# Altium PCB MDQARM - копия.PcbDoc (part 1 of 2)
Units mm, origin at the board's own origin, x right, y up, seen from the top; angles counter-clockwise.
Board outline 98 x 86.31 mm, 2 copper layers (Top Layer, Bottom Layer), stack 1.536 mm thick; 171 components, 109 nets, 544 pads, 183 vias.
Unrouted connection lines stored in the file: 113.
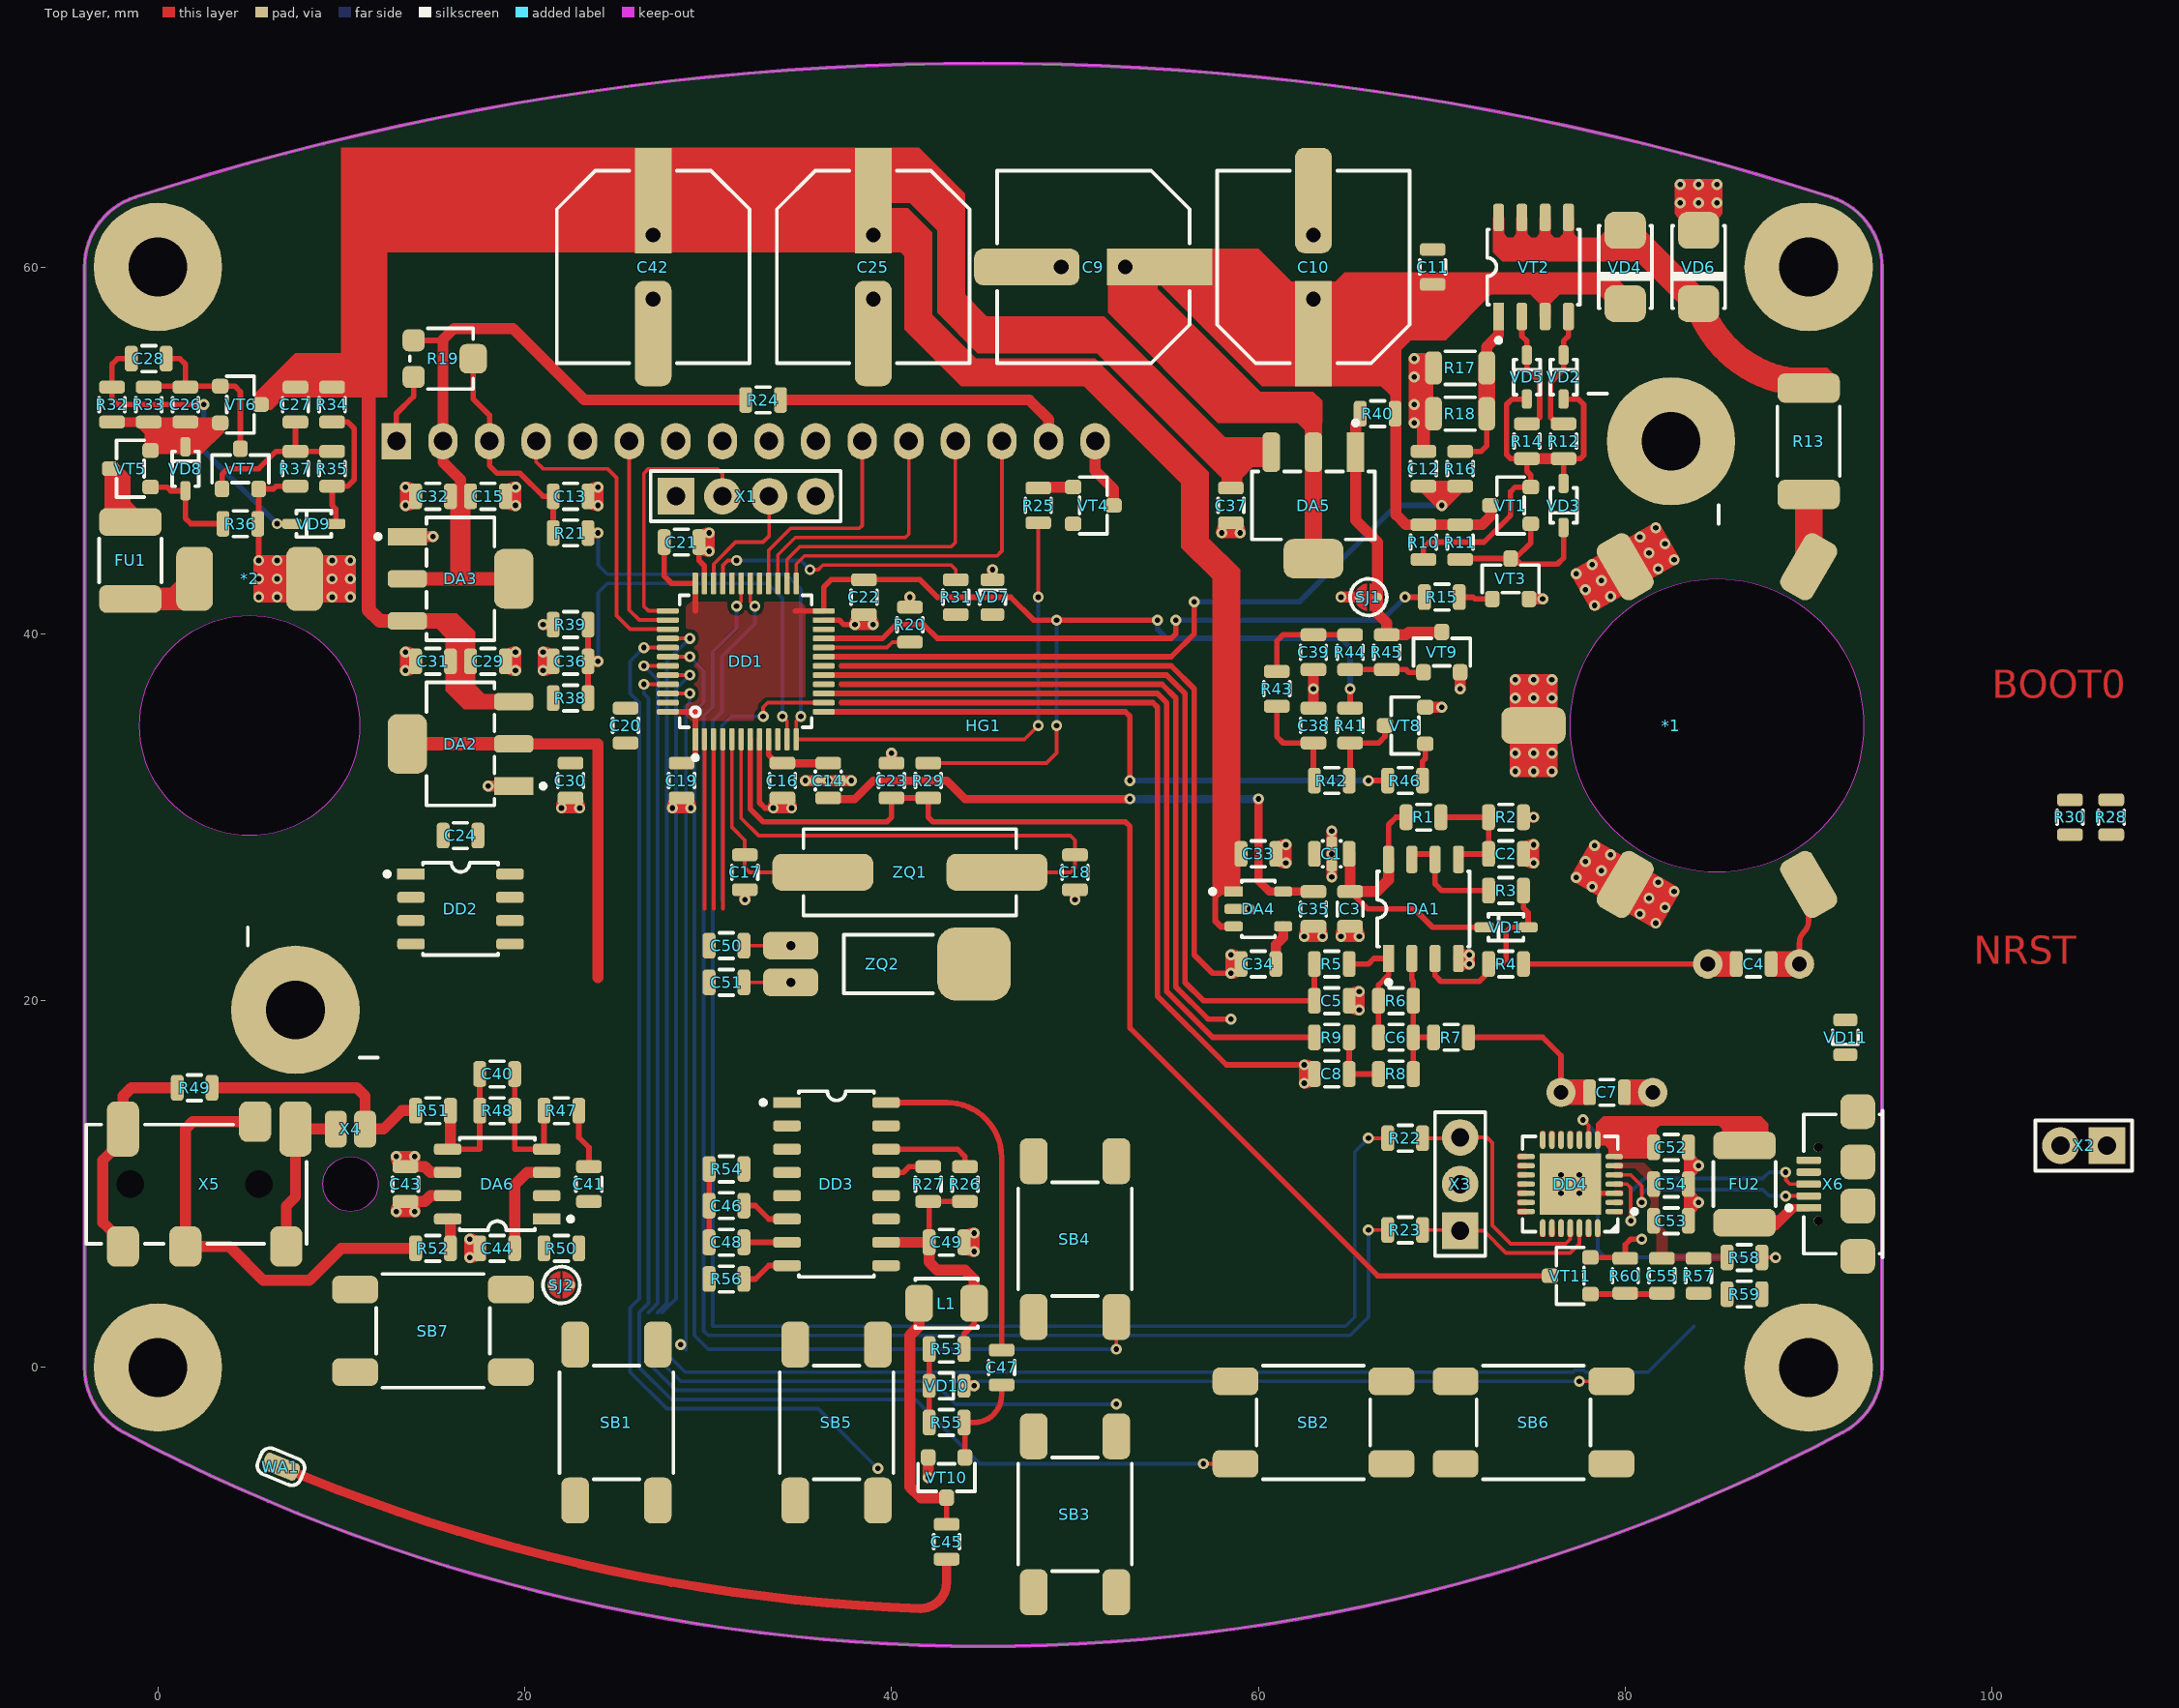
[diagram p0: Top Layer view]
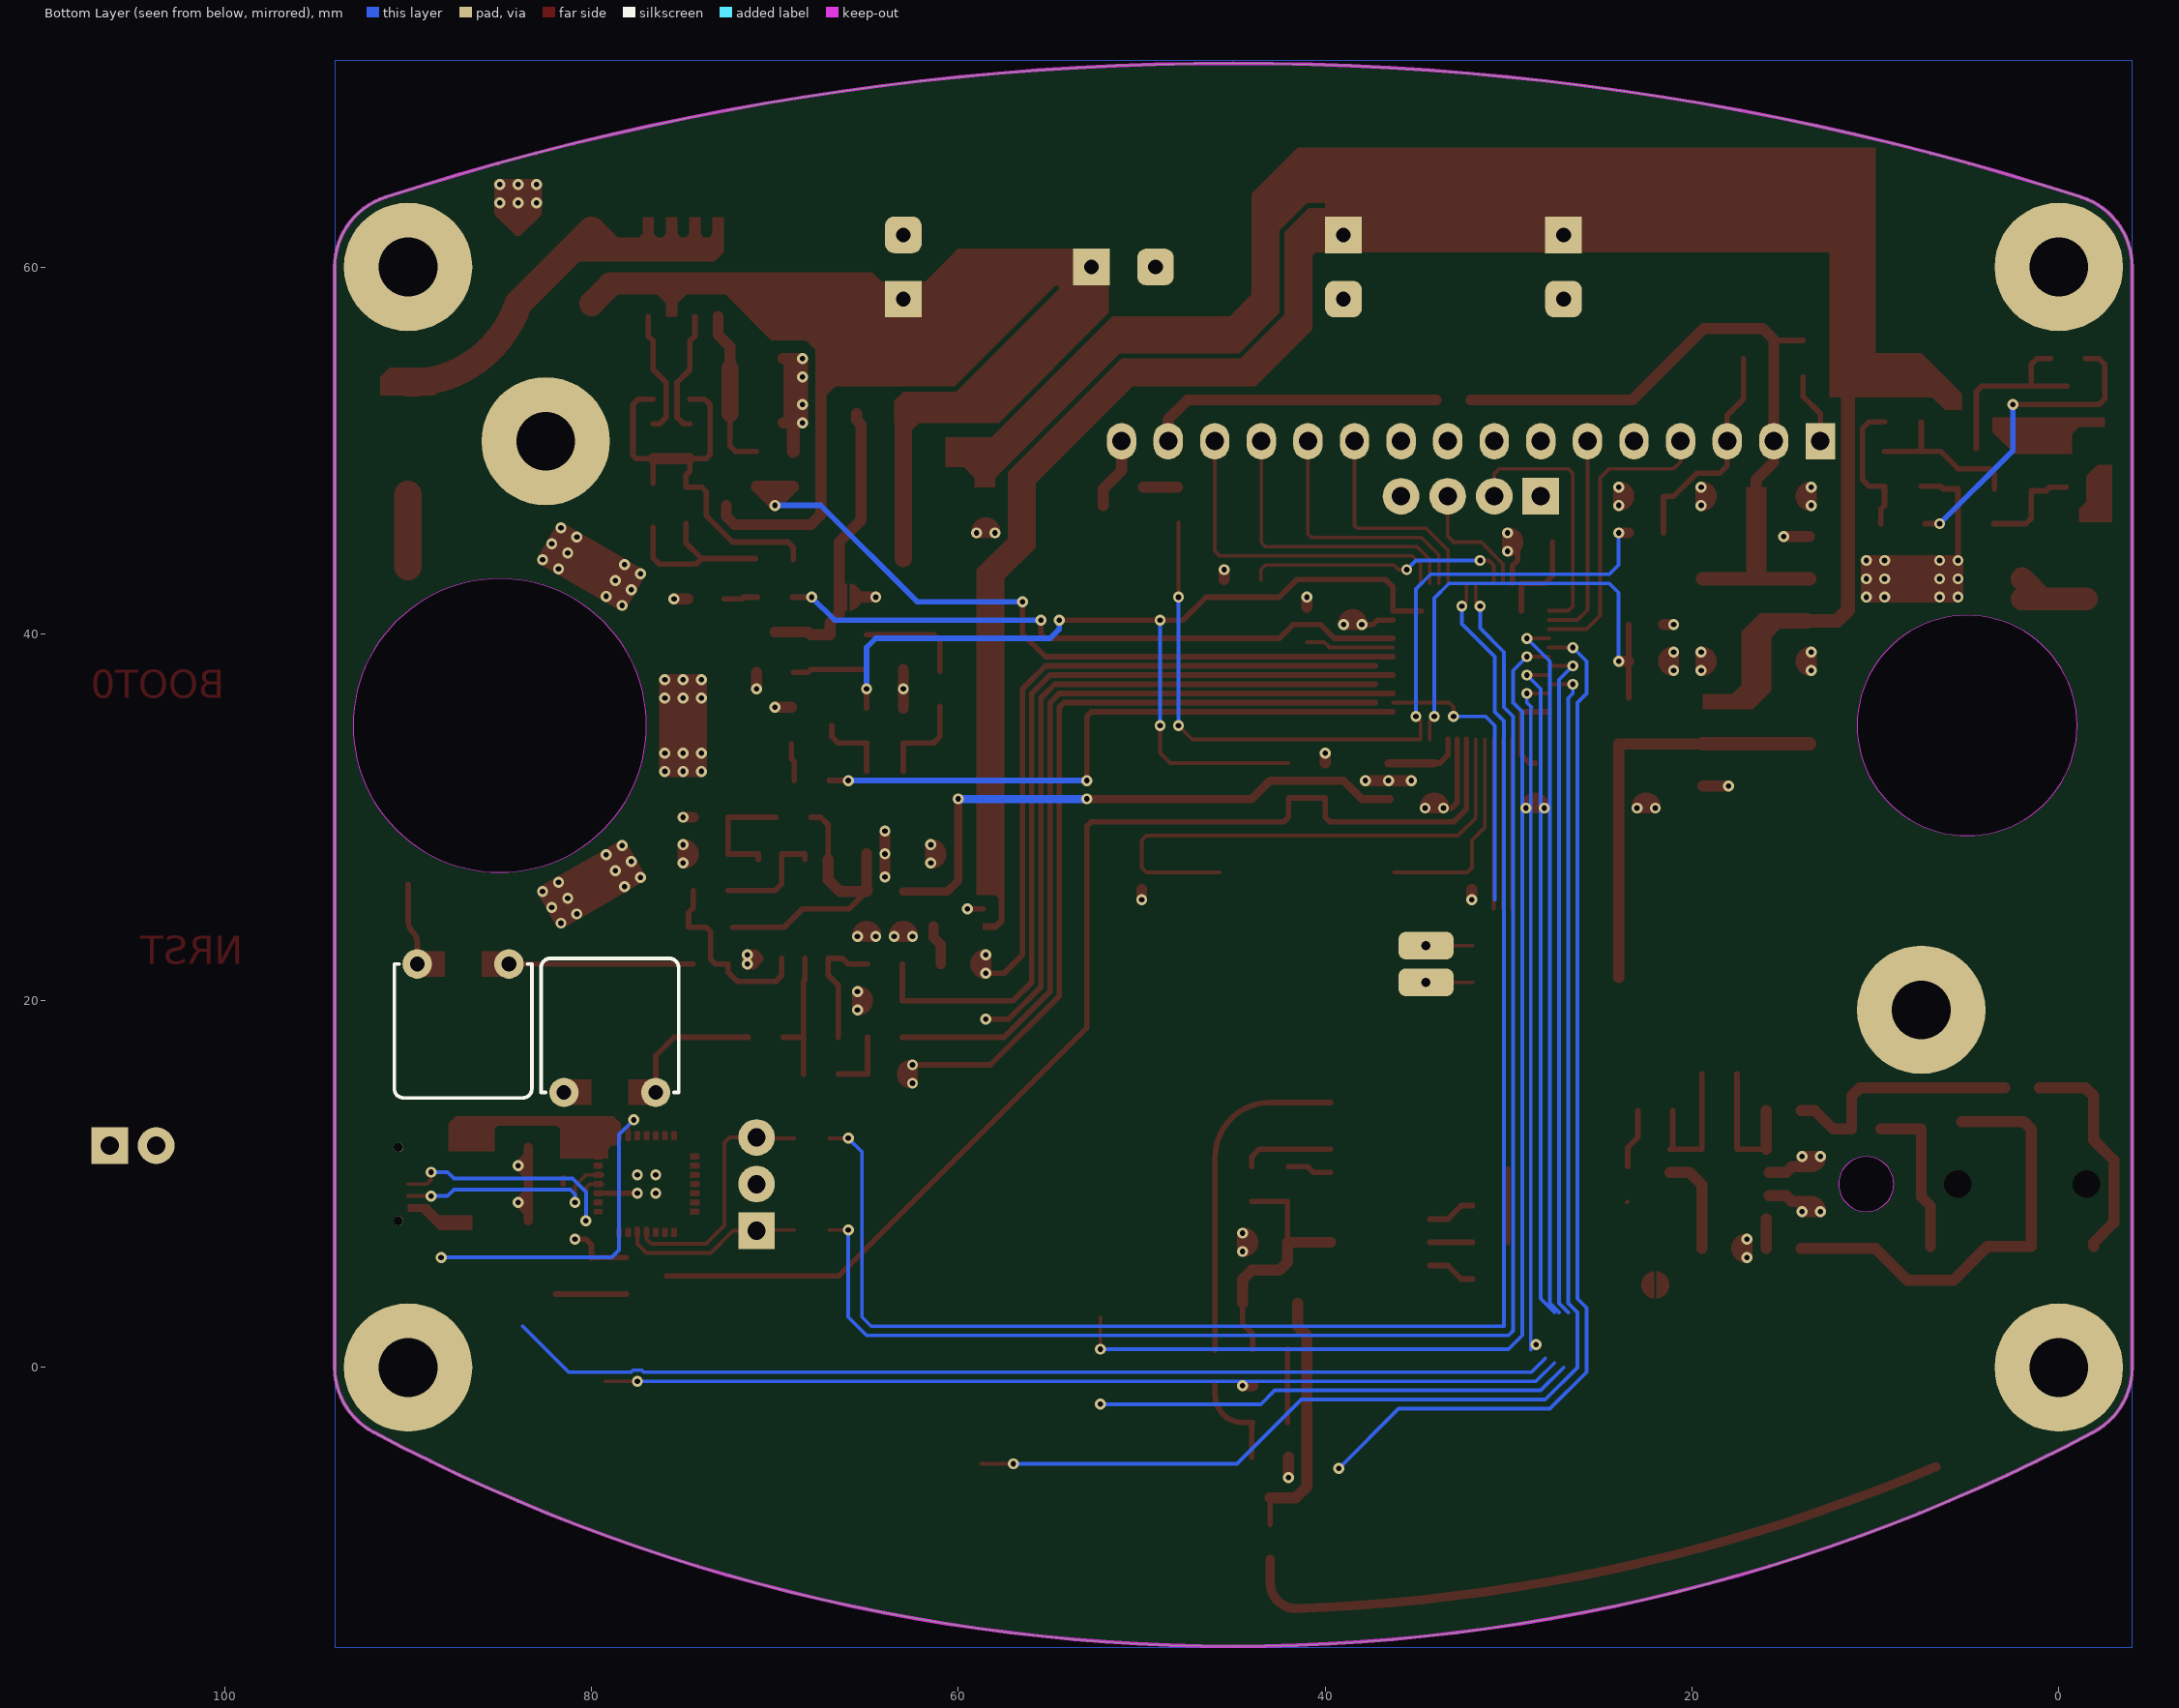
[diagram p1: Bottom Layer view, seen from below]
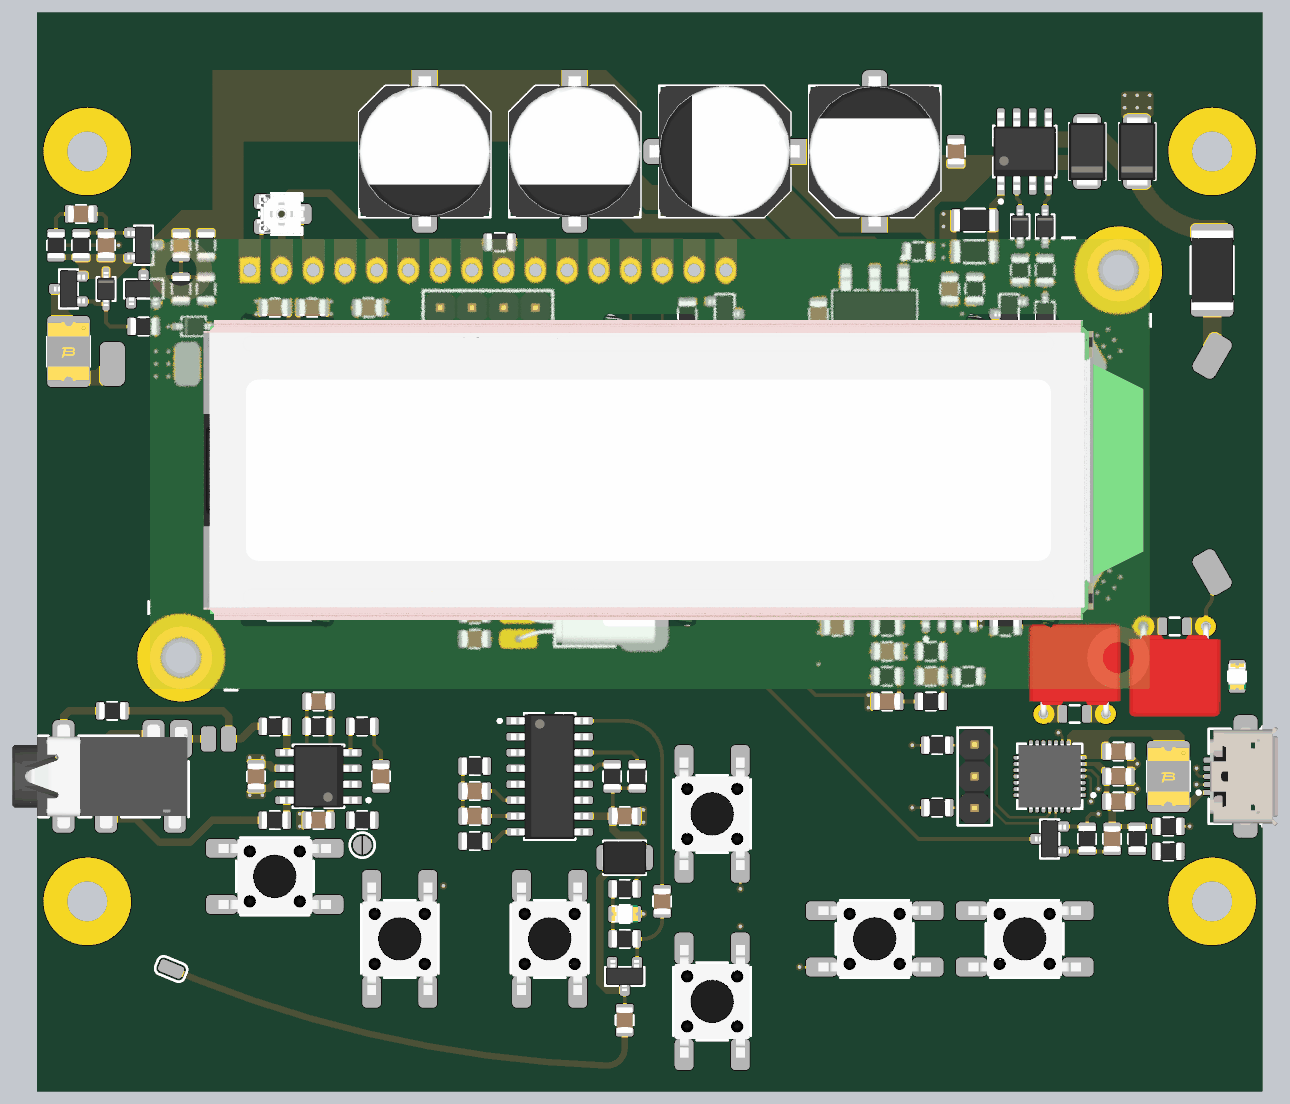
[diagram p3: 3D render of the assembled board from above, using the file's embedded part models]

## Layer stack, top to bottom
Top Solder: solder mask 0.01, Solder Resist, Dk 3.5
Top Layer: signal copper 0.018
Dielectric 1: dielectric 1.5, FR-4, Dk 4.8
Bottom Layer: signal copper 0.018
Bottom Solder: solder mask 0.01, Solder Resist, Dk 3.5

## Board outline
-1.875,-3.533 cw(c0,0) -4,0 -4,60 cw(c0,60) -1.233,63.805 cw(c45,-78.892) 91.233,63.805 cw(c90,60) 94,60 94,0 cw(c90,0) 91.875,-3.533 91.875,-3.534 cw(c45,84.8)

## Design rules (kind name [scope] priority, off if disabled: settings)
Clearance Clearance_Poly [InPoly] p1: gap=0.2 ignorepadtopadclearanceinfootprint=FALSE
Clearance [All] p2: gap=0.2 ignorepadtopadclearanceinfootprint=FALSE
PolygonConnect PolygonConnect_2 [IsVia] p1: connectstyle=Direct reliefconductorwidth=0.254 reliefentries=4 polygonreliefangle="90 Angle" airgapwidth=0.254
PolygonConnect PolygonConnect_1 [All vs IsNamedPolygon('Dir_Poly')] p2: thpad.connectstyle=Direct thpad.reliefconductorwidth=0.254 thpad.reliefentries=4 thpad.polygonreliefangle="90 Angle" thpad.airgapwidth=0.254 smdpad.connectstyle=Direct smdpad.reliefconductorwidth=0.254 smdpad.reliefentries=4 smdpad.polygonreliefangle="90 Angle" smdpad.airgapwidth=0.254 via.connectstyle=Relief via.reliefconductorwidth=0.254 via.reliefentries=4 via.polygonreliefangle="90 Angle" via.airgapwidth=0.254
PolygonConnect [All] p3: connectstyle=Relief reliefconductorwidth=0.5 reliefentries=4 polygonreliefangle="90 Angle" airgapwidth=0.2
RoutingVias [All] p1: holewidth=0.2 width=0.45 viastyle="Through Hole" minholewidth=0.2 minwidth=0.45 maxholewidth=0.3 maxwidth=0.6
SolderMaskExpansion [All] p1: expansion=0.102
Width [All] p1: maxlimit=10 minlimit=0.2 preferedwidth=0.3
30 further rules are at their usual default settings.

## Classes and differential pairs
component class MDQARM_POWER: *2 C25 C26 C27 C28 C29 C30 C31 C32 C33 C34 C35 C36 C37 C38 C39 DA2 DA3 DA4 DA5 FU1 R32 R33 R34 R35 R36 R37 R38 R39 R40 R41 R42 R43 R44 R45 R46 SB7 SJ1 VD8 VD9 VT5 VT6 VT7 VT8 VT9
component class MDQARM_USB_UART: C52 C53 C54 C55 DD4 FU2 R57 R58 R59 R60 VD11 VT11 X6
component class MDQARM_SOUND: C40 C41 C42 C43 C44 C45 C46 C47 C48 C49 C50 C51 DA6 DD3 L1 R47 R48 R49 R50 R51 R52 R53 R55 R56 SJ2 VD10 VT10 WA1 X4 X5 ZQ2
component class MDQARM_COIL: *1 C1 C2 C3 C4 C5 C6 C7 C8 C9 C10 C11 C12 DA1 R1 R2 R3 R4 R5 R6 R7 R8 R9 R10 R11 R12 R13 R14 R15 R16 R17 R18 VD1 VD2 VD3 VD4 VD5 VD6 VT1 VT2 VT3
component class MDQARM_MCU: C13 C14 C15 C16 C17 C18 C19 C20 C21 C22 C23 C24 C? DD1 DD2 DD? HG1 R19 R20 R21 R22 R23 R24 R25 R26 R27 R28 R29 R30 R31 R? SB1 SB2 SB3 SB4 SB5 SB6 SB? VD7 VT4 X1 X2 X3 X? ZQ1

## Components (designator, comment, footprint, x,y, rotation, side; value= is the part's Value field where it differs from the comment)
*1 "Connector MD_COIL" "Connector MD_COIL" 85,35 r0 top locked
*2 "Connector MD_POWER" "Connector MD_POWER" 5,35 r0 top locked
C1 "1,0" "Filter NFM21PC" 64,28 r180 top
C2 "10,0" "Capacitor SMD0805-T1.35" 73.5,28 r180 top
C3 "0,01" "Capacitor SMD0805-T0.75" 65,25 r90 top
C4 "0,1" "Capacitor SMD0805_5mm" 87,22 r0 top
C5 "4700" "Capacitor SMD0805-T0.75" 64,20 r180 top
C6 "22" "Capacitor SMD0805-T0.75" 67.5,18 r180 top
C7 "0,033" "Capacitor SMD0805_5mm" 79,15 r180 top
C8 "4700" "Capacitor SMD0805-T0.75" 64,16 r0 top
C9 "1000,0" "Capacitor ECAP SMD10x10.5" 51,60 r180 top
C10 "1000,0" "Capacitor ECAP SMD10x10.5" 63,60 r90 top
C11 "0,1" "Capacitor SMD0805-T0.95" 69.5,60 r90 top
C12 "2,2" "Capacitor SMD0805-T1.35" 69,49 r270 top
C13 "0,01" "Capacitor SMD0805-T0.75" 22.5,47.5 r180 top
C14 "1,0" "Filter NFM21PC" 36.55,32 r270 top
C15 "0,1" "Capacitor SMD0805-T0.95" 18,47.5 r180 top
C16 "0,01" "Capacitor SMD0805-T0.75" 34.05,32 r90 top
C17 "30" "Capacitor SMD0805-T0.75" 32,27 r90 top
C18 "30" "Capacitor SMD0805-T0.75" 50,27 r90 top
C19 "0,1" "Capacitor SMD0805-T0.95" 28.55,32 r90 top
C20 "0,1" "Capacitor SMD0805-T0.95" 25.5,35 r270 top
C21 "0,1" "Capacitor SMD0805-T0.95" 28.55,45 r180 top
C22 "10,0" "Capacitor SMD0805-T1.35" 38.5,42 r90 top
C23 "0,1" "Capacitor SMD0805-T0.95" 40,32 r90 top
C24 "0,1" "Capacitor SMD0805-T0.95" 16.5,29 r0 top
C25 "470,0" "Capacitor ECAP SMD10x10.5" 39,60 r270 top
C26 "0,1" "Capacitor SMD0805-T0.95" 1.5,52.5 r270 top
C27 "4,7" "Capacitor SMD0805-T1.35" 7.5,52.5 r90 top
C28 "1,0" "Capacitor SMD0805-T1.35" -0.5,55 r0 top
C29 "0,1" "Capacitor SMD0805-T0.95" 18,38.5 r180 top
C30 "10,0" "Capacitor SMD0805-T1.35" 22.5,32 r90 top
C31 "10,0" "Capacitor SMD0805-T1.35" 15,38.5 r0 top
C32 "10,0" "Capacitor SMD0805-T1.35" 15,47.5 r0 top
C33 "10,0" "Capacitor SMD0805-T1.35" 60,28 r180 top
C34 "0,01" "Capacitor SMD0805-T0.75" 60,22 r0 top
C35 "10,0" "Capacitor SMD0805-T1.35" 63,25 r90 top
C36 "0,1" "Capacitor SMD0805-T0.95" 22.5,38.5 r0 top
C37 "0,1" "Capacitor SMD0805-T0.95" 58.5,47 r90 top
C38 "0,68" "Capacitor SMD0805-T0.95" 63,35 r270 top
C39 "0,68" "Capacitor SMD0805-T0.95" 63,39 r90 top
C40 "4700" "Capacitor SMD0805-T0.75" 18.5,16 r180 top
C41 "1,0" "Capacitor SMD0805-T1.35" 23.5,10 r90 top
C42 "470,0" "Capacitor ECAP SMD10x10.5" 27,60 r270 top
C43 "0,1" "Capacitor SMD0805-T0.95" 13.5,10 r90 top
C44 "1,0" "Capacitor SMD0805-T1.35" 18.5,6.5 r0 top
C45 "1000" "Capacitor SMD0805-T0.75" 43,-9.5 r270 top
C46 "0,1" "Capacitor SMD0805-T0.95" 31,8.825 r0 top
C47 "10" "Capacitor SMD0805-T0.75" 46,0 r270 top
C48 "0,1" "Capacitor SMD0805-T0.95" 31,6.825 r0 top
C49 "0,1" "Capacitor SMD0805-T0.95" 43,6.825 r180 top
C50 "15" "Capacitor SMD0805-T0.75" 31,23 r180 top
C51 "15" "Capacitor SMD0805-T0.75" 31,21 r180 top
C52 "1,0" "Capacitor SMD0805-T1.35" 82.5,12 r180 top
C53 "0,1" "Capacitor SMD0805-T0.95" 82.5,8 r180 top
C54 "4,7" "Capacitor SMD0805-T1.35" 82.5,10 r180 top
C55 "0,047" "Capacitor SMD0805-T0.75" 82,5 r90 top
DA1 "AD8606ARZ" "IC AD8606ARZ" 69,25 r90 top
DA2 "LD1117S33" "IC LD1117S33" 16.5,34 r90 top
DA3 "LD1117S50" "IC LD1117S50" 16.5,43 r270 top
DA4 "LP2985-33DBVR" "IC LP2985-33DBVR" 60,25 r270 top
DA5 "LD1117STR" "IC LD1117STR" 63,47 r180 top
DA6 "MC34119L" "IC MC34119L" 18.5,10 r180 top
DD1 "STM32F100C8T6B" "IC STM32F100C8T6B" 32.05,38.5 r0 top
DD2 "AT24C08C" "IC AT24C08C" 16.5,25 r0 top
DD3 "KT0803L" "IC KT0803L" 37,10 r0 top
DD4 "CP2102-GMR" "IC CP2102-GMR" 77,10 r180 top
FU1 "0,5А" "Fuse MF-NSMF" -1.5,44 r90 top
FU2 "0,14А" "Fuse MF-NSMF" 86.5,10 r90 top
HG1 "WH1602" "Indicator WH1602" 45,35 r0 top locked
L1 "1мкГн" "Inductor SMD1210" 43,3.5 r180 top
R1 "10к" "Resistor SMD0805" 69,30 r180 top
R2 "10к" "Resistor SMD0805" 73.5,30 r180 top
R3 "2к" "Resistor SMD0805" 73.5,26 r180 top
R4 "100" "Resistor SMD0805" 73.5,22 r180 top
R5 "2к" "Resistor SMD0805" 64,22 r180 top
R6 "100к" "Resistor SMD0805" 67.5,20 r180 top
R7 "1,2к" "Resistor SMD0805" 70.5,18 r0 top
R8 "100к" "Resistor SMD0805" 67.5,16 r0 top
R9 "2к" "Resistor SMD0805" 64,18 r0 top
R10 "100к" "Resistor SMD0805" 69,45 r90 top
R11 "10к" "Resistor SMD0805" 71,45 r90 top
R12 "1к" "Resistor SMD0805" 76.635,50.5 r270 top
R13 "7,5" "Resistor SMD2512" 90,50.5 r90 top
R14 "1к" "Resistor SMD0805" 74.635,50.5 r270 top